# Altium PCB slave.PcbDoc (part 3 of 7)
Units mm, origin at the board's own origin, x right, y up, seen from the top; angles counter-clockwise.
Board outline 160 x 100 mm, 6 copper layers (Top, FUSED_VBAT-, Signals1, Signals2, SUPPLY, Bottom), stack 1.67 mm thick; 597 components, 381 nets, 1695 pads, 3029 vias.
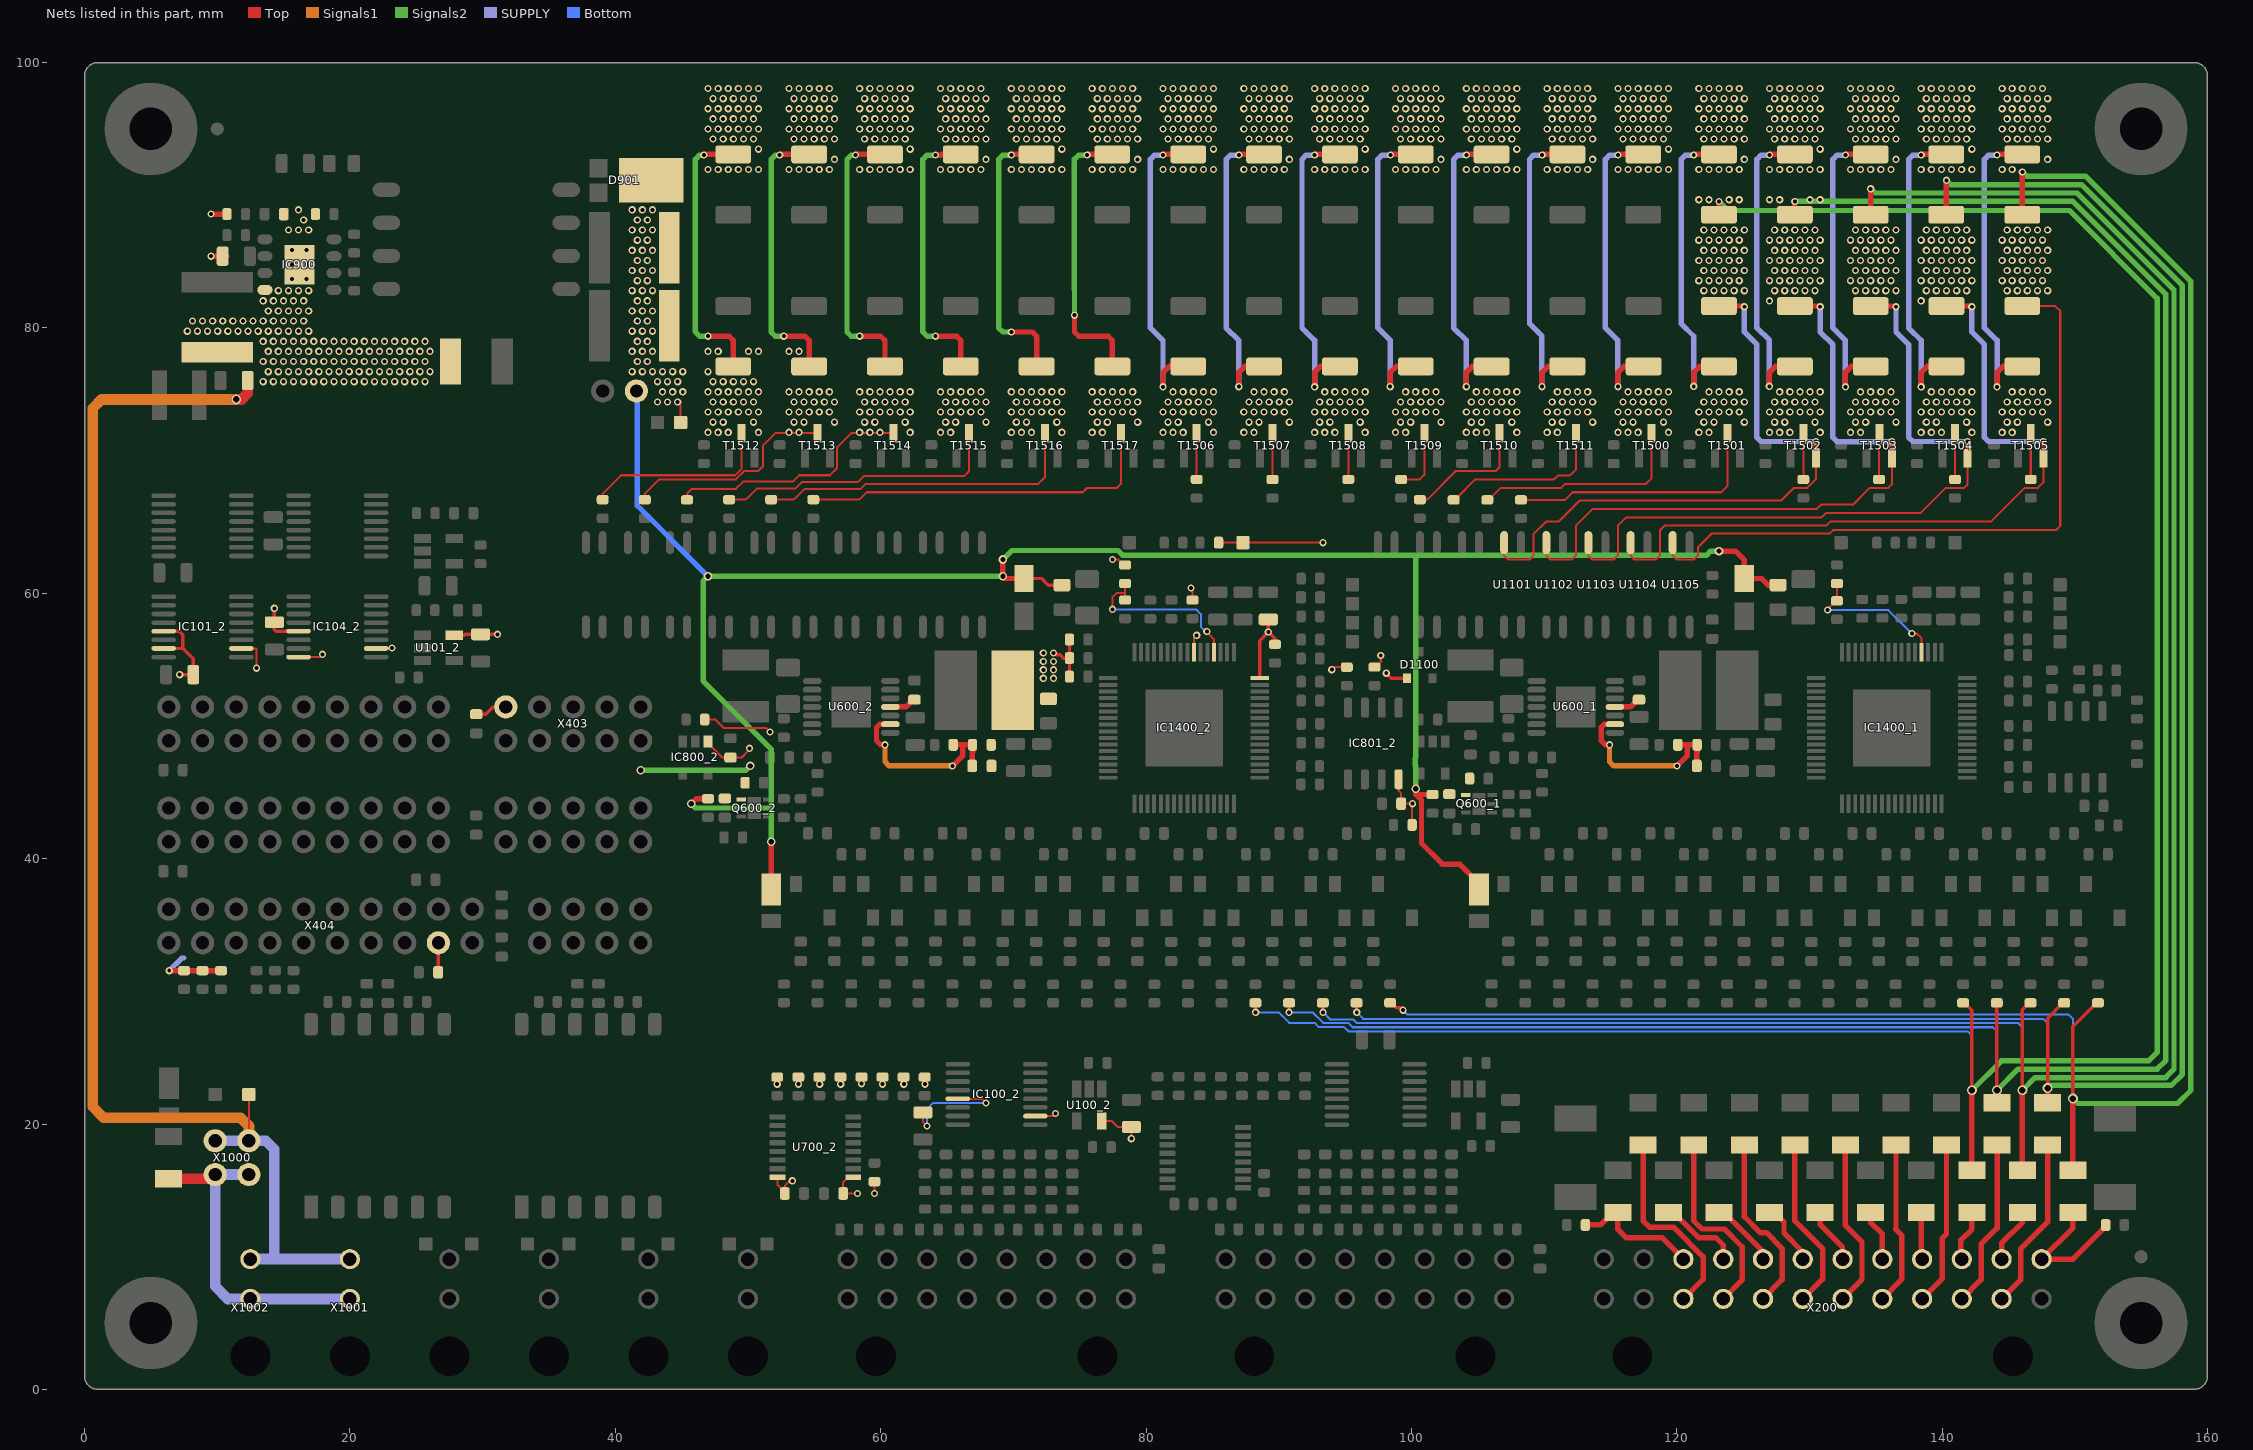
[diagram p7: the nets of this part, all layers, seen from the top]

## Via types
v1: diameter 0.55, hole 0.3, Top to Bottom, tented both sides, 2991 vias
v2: diameter 0.75, hole 0.5, Top to Bottom, tented both sides, 22 vias
v3: diameter 0.65, hole 0.4, Top to Bottom, tented both sides, 16 vias

## Nets (pads, with @x,y where several pads share a name; then routed paths per layer and width w, separated by ;. In a path a pad name is that pad's centre, name@x,y a point inside that pad or via, vN(x,y) a via of type N, cw(c..) or ccw(c..) an arc to the next point about the centre after c; other vN are vias at no path point) (continued)
+5.0V_VREG_1: C101_2.2 C102_2.2 C103_2.2 C104_2.2 C105_2.2 C403.2 C407.2 C604_2.2 C700_2.2 C701_2.2 C800_2.2 C801_2.2 C1401_2.2 D1100.1 IC100_2.2 IC100_2.13 IC101_2.2 IC101_2.13 IC101_2.15 IC104_2.2 IC104_2.13 IC104_2.16 IC800_2.1 IC801_2.8 IC1400_2.48 IC1400_2.55 L600_2.2 LD1400_2.2 R602_2.1 R604_2.1 R700_2.2 R701_2.2 R702_2.2 R703_2.2 R704_2.2 R705_2.2 R706_2.2 R707_2.2 R708_2.1 R800_2.2 R801_2.2 R1404_2.2 R1407_2.2 R1419_2.2 R1420_2.2 R1421_2.2 R1422_2.2 R1423_2.2 R1424_2.2 R1425_2.2 R1426_2.2 R1427_2.2 TP1403_2.1 U100_2.5 U101_2.5 U700_2.1 U700_2.16 X403.9 X404.4 | length 102.8
  Top w0.152: IC101_2.2@11.786,55.842 12.921,55.842 12.954,55.809 v1(12.954,54.356) ; IC104_2.16@16.125,55.193 17.728,55.193 v1(17.939,55.404) ; IC104_2.2@21.946,55.842 23.139,55.842 v1(23.177,55.88) ; R800_2.2@46.737,50.482 47.554,50.482 48.189,49.847 51.363,49.847 v1(51.663,49.548) ; IC800_2.1@46.988,48.825 46.988,48.7 48.063,47.625 C800_2.2@48.677,47.625 49.53,47.625 50.109,48.204 v1(50.109,48.316) ; v1(52.205,23.006) R707_2.2@52.205,23.535 R707_2.2@52.205,23.585 ; U700_2.16@52.236,15.981 52.236,15.401 C700_2.2@52.774,14.864 ; C700_2.2@52.774,14.764 C700_2.2@52.774,14.864 ; v1(53.34,15.716) 53.15,15.716 52.774,15.34 C700_2.2@52.774,14.864 ; R706_2.2@53.792,23.535 53.792,23.026 v1(53.813,23.006) ; R706_2.2@53.792,23.585 53.813,23.565 R706_2.2@53.813,23.535 ; R705_2.2@55.38,23.535 55.38,23.026 v1(55.4,23.006) ; R705_2.2@55.38,23.585 55.4,23.565 R705_2.2@55.4,23.535 ; R704_2.2@56.967,23.535 56.967,23.026 v1(56.988,23.006) ; R704_2.2@56.967,23.585 56.988,23.565 R704_2.2@56.988,23.535 ; U700_2.1@57.936,15.981 57.536,15.981 57.18,15.625 C701_2.2@57.18,14.764 v1(58.261,14.764) ; v1(58.555,23.044) R703_2.2@58.555,23.535 ; R703_2.2@58.555,23.585 R703_2.2@58.58,23.56 ; v1(59.531,14.764) R708_2.1@59.531,15.651 ; v1(60.142,23.006) R702_2.2@60.142,23.535 R702_2.2@60.142,23.585 ; R701_2.2@61.73,23.535 61.73,23.026 v1(61.75,23.006) ; R701_2.2@61.73,23.585 61.75,23.565 R701_2.2@61.75,23.535 ; C101_2.2@63.182,20.869 63.182,20.161 v1(63.5,19.844) ; R700_2.2@63.317,23.535 63.317,23.026 v1(63.338,23.006) ; R700_2.2@63.317,23.585 63.338,23.565 R700_2.2@63.338,23.535 ; IC100_2.13@65.814,21.9 67.635,21.9 v1(67.945,21.59) ; IC100_2.2@71.664,20.6 72.988,20.6 v1(73.184,20.796) 73.184,20.637 v1@73.146,20.6 ; U100_2.5@76.674,20.231 77.4,20.231 77.86,19.771 C103_2.2@78.899,19.771 v1(78.899,18.891) ; v1(77.47,62.547) 77.911,62.547 78.323,62.136 R1407_2.2@78.422,62.136 ; v1(83.384,60.397) 83.502,60.279 R1404_2.2@83.502,59.488 ; IC1400_2.55@83.618,55.598 83.618,56.63 v1(83.82,56.832) ; LD1400_2.2@85.523,63.817 TP1403_2.1@87.312,63.817 v1(93.345,63.817) ; v1(94.005,54.245) 94.194,54.434 R1419_2.2@95.135,54.434 ; R1420_2.2@97.223,54.437 97.323,54.437 97.693,54.808 v1(97.693,55.309) ; IC801_2.8@99.04,45.98 99.04,45.128 99.235,44.933 C801_2.2@99.235,44.147 v1(100.081,44.147) 100.057,44.124 R801_2.2@100.057,42.545
  Top w0.254: IC101_2.15@5.965,55.843 7.403,55.843 ; IC101_2.13@5.965,57.143 7.119,57.143 7.396,56.866 7.396,55.85 7.403,55.843 ; v1(7.166,53.868) C102_2.2@8.191,53.868 8.191,55.055 7.403,55.843 ; v1(14.306,58.864) C105_2.2@14.306,57.818 14.306,57.266 14.429,57.143 IC104_2.13@16.125,57.143 ; C407.2@26.65,31.432 C407.2@26.65,31.5 ; C407.2@26.67,31.52 C407.2@26.65,31.5 ; X404.4@26.67,33.655 26.65,33.635 C407.2@26.65,31.507 ; U101_2.5@27.87,56.83 28.622,56.83 28.697,56.905 C104_2.2@29.845,56.905 v1(31.115,56.905) ; C403.2@29.527,50.89 30.245,50.89 30.777,51.423 X403.9@31.75,51.435 ; 73.279,55.372 73.524,55.372 73.778,55.118 R1422_2.2@74.23,55.118 ; R1421_2.2@74.23,53.721 R1422_2.2@74.23,55.118 ; R1423_2.2@74.23,56.515 R1422_2.2@74.23,55.118 ; IC1400_2.48@88.568,53.597 88.568,56.433 v1(89.218,57.083) ; C1401_2.2@89.218,58.03 v1(89.218,57.083) ; R1424_2.2@89.725,56.152 89.725,56.604 89.697,56.604 v1(89.218,57.083) ; v1(98.108,53.975) 98.485,53.598 D1100.1@99.677,53.598 ; C407.2@26.65,31.5 26.583,31.432 26.613,31.466 C407.2@26.65,31.507 ; C407.2@26.65,31.5 C407.2@26.65,31.507
  Top w0.406: v1@6.35,31.561 v1(6.381,31.561) R1427_2.2@7.493,31.561 R1426_2.2@8.89,31.561 R1425_2.2@10.287,31.561
  Signals2 w0.406: v3(41.91,46.672) 49.847,46.672 v3(50.165,46.99)
  SUPPLY w0.406: v1(6.381,31.561) 7.332,32.512 7.493,32.512
  Bottom w0.152: v1(63.5,19.844) 63.5,21.114 63.976,21.59 v1(67.945,21.59)
  other v1: 72.263,53.594 73.025,53.594 72.263,54.229 73.025,54.229 72.263,54.864 73.025,54.864 72.263,55.499 73.025,55.499
BST_1: C602_1.2 U600_1.11 | length 2
  Top w0.406: U600_1.11@115.345,51.435 116.513,51.435 117.058,51.98 C602_1.2@117.157,51.98
BST_2: C602_2.2 U600_2.11 | length 2
  Top w0.406: U600_2.11@60.735,51.435 61.903,51.435 62.448,51.98 C602_2.2@62.547,51.98
CELL_0+: F318.1 X200.2 | length 13.3
  Top w0.406: X200.2@144.487,6.818 145.94,8.271 145.94,10.611 147.955,12.626 F318.1@147.955,18.413 ; F318.1@147.955,18.413 F318.1@147.955,18.652
CELL_0-: F319.1 SJ301.1 X200.13 | length 10.5
  Top w0.406: F319.1@149.86,13.333 149.86,12.178 X200.13@147.497,9.815 149.868,9.815 152.335,12.283 SJ301.1@152.335,12.383
CELL_1+: F317.1 X200.14 | length 4.2
  Top w0.406: X200.14@144.487,9.815 144.487,11.018 146.05,12.581 F317.1@146.05,13.333
CELL_2+: F316.1 X200.3 | length 12.9
  Top w0.406: X200.3@141.49,6.818 142.945,8.273 142.945,10.954 144.145,12.154 F316.1@144.145,18.413 ; F316.1@144.145,18.413 F316.1@144.145,18.652
CELL_3+: F315.1 X200.15 | length 3.9
  Top w0.406: X200.15@141.49,9.815 141.415,9.89 141.415,11.24 142.24,12.065 F315.1@142.24,13.333
CELL_4+: F314.1 X200.4 | length 12.6
  Top w0.406: X200.4@138.493,6.818 140.017,8.343 140.017,11.407 140.335,11.725 F314.1@140.335,18.413 ; F314.1@140.335,18.413 F314.1@140.335,18.652
CELL_5+: F313.1 X200.16 | length 3.5
  Top w0.406: F313.1@138.43,13.333 138.43,9.878 X200.16@138.493,9.815
CELL_6+: F312.1 X200.5 | length 12.6
  Top w0.406: X200.5@135.496,6.818 136.955,8.277 136.955,11.635 136.505,12.085 136.525,12.105 F312.1@136.525,18.413 ; F312.1@136.525,18.413 F312.1@136.525,18.652
CELL_7+: F311.1 X200.17 | length 3.9
  Top w0.406: F311.1@134.62,13.333 134.62,12.581 135.496,11.705 X200.17@135.496,9.815
CELL_8+: F310.1 X200.6 | length 13
  Top w0.406: X200.6@132.499,6.818 133.965,8.284 133.965,11.105 132.715,12.355 F310.1@132.715,18.413 F310.1@132.715,18.652
CELL_9+: F309.1 X200.18 | length 4.2
  Top w0.406: F309.1@130.81,13.333 130.81,12.415 132.499,10.726 X200.18@132.499,9.815
CELL_10+: F308.1 X200.7 | length 13.3
  Top w0.406: F308.1@128.905,18.652 F308.1@128.905,18.413 128.905,12.7 130.994,10.611 130.994,8.311 X200.7@129.501,6.818
CELL_11+: F307.1 X200.19 | length 4.8
  Top w0.406: F307.1@127,13.333 127.365,13.333 128.087,12.611 128.087,11.772 129.501,10.358 X200.19@129.501,9.815
CELL_12+: F306.1 X200.8 | length 13.9
  Top w0.406: F306.1@125.095,18.652 F306.1@125.095,18.413 125.095,13.01 126.288,11.817 126.754,11.817 127.953,10.619 127.953,8.267 X200.8@126.504,6.818
CELL_13+: F305.1 X200.20 | length 5.1
  Top w0.406: F305.1@123.19,13.333 123.555,13.333 126.504,10.384 X200.20@126.504,9.815
CELL_14+: F304.1 X200.9 | length 14.9
  Top w0.406: F304.1@121.285,18.652 F304.1@121.285,18.413 121.285,12.704 121.904,12.085 123.6,12.085 124.936,10.749 124.936,8.247 X200.9@123.507,6.818
CELL_15+: F303.1 X200.21 | length 6.2
  Top w0.406: F303.1@119.38,13.333 119.745,13.333 121.648,11.43 122.943,11.43 123.507,10.866 X200.21@123.507,9.815
CELL_16+: F302.1 X200.10 | length 15.4
  Top w0.406: F302.1@117.475,18.652 F302.1@117.475,18.413 117.475,12.7 117.951,12.224 119.754,12.224 121.99,9.987 121.99,8.298 X200.10@120.51,6.818
CELL_17+: F301.1 SJ300.2 X200.22 | length 10
  Top w0.406: SJ300.2@113.115,12.395 114.267,12.395 115.205,13.333 F301.1@115.57,13.333 115.57,12.047 116.187,11.43 118.895,11.43 X200.22@120.51,9.815
CELL_FEEDBACK.CELL0_FEEDBACK+: R1105.1 R1505.2 R1511.2 T1505.3 | length 27.2
  Top w0.152: R1105.1@146.685,68.58 T1505.3@146.685,72.07
  Top w0.406: v1(144.145,75.565) 144.145,76.647 144.598,77.1 R1505.2@146.05,77.1 ; v1(144.145,93.027) 144.198,93.08 R1511.2@146.05,93.08
  SUPPLY w0.406: v1(144.145,75.565) 144.145,79.057 143.192,80.01 143.192,92.71 143.51,93.027 v1(144.145,93.027)
  other v1: 144.526,72.136 145.288,72.136 144.907,72.898 145.669,72.898 147.955,72.898 144.526,73.66 145.288,73.66 146.05,73.66 146.812,73.66 147.574,73.66 144.907,74.422 145.669,74.422 146.431,74.422 147.193,74.422 147.955,74.422 145.288,75.184 146.05,75.184 146.812,75.184 147.574,75.184 144.526,91.948 145.288,91.948 147.955,92.71 144.907,94.234 145.669,94.234 146.431,94.234 147.193,94.234 147.955,94.234 144.526,94.996 145.288,94.996 146.05,94.996 146.812,94.996 147.574,94.996 144.907,95.758 145.669,95.758 146.431,95.758 147.193,95.758 147.955,95.758 144.526,96.52 145.288,96.52 146.05,96.52 146.812,96.52 147.574,96.52 144.907,97.282 145.669,97.282 146.431,97.282 147.193,97.282 147.955,97.282 144.526,98.044 145.288,98.044 146.05,98.044 146.812,98.044 147.574,98.044
CELL_FEEDBACK.CELL1_FEEDBACK+: R1104.1 R1504.2 R1510.2 T1504.3 | length 27.2
  Top w0.152: R1104.1@140.97,68.58 T1504.3@140.97,72.07
  Top w0.406: v1(138.43,75.565) 138.43,76.647 138.883,77.1 R1504.2@140.335,77.1 ; v1(138.43,93.027) 138.483,93.08 R1510.2@140.315,93.08
  SUPPLY w0.406: v1(138.43,75.565) 138.43,79.057 137.477,80.01 137.477,92.71 137.795,93.027 v1(138.43,93.027)
  other v1: 138.43,72.136 139.192,72.136 139.954,72.136 142.24,72.136 138.811,72.898 139.573,72.898 141.859,72.898 138.43,73.66 139.192,73.66 139.954,73.66 140.716,73.66 141.478,73.66 142.24,73.66 138.811,74.422 139.573,74.422 140.335,74.422 141.097,74.422 141.859,74.422 139.192,75.184 139.954,75.184 140.716,75.184 141.478,75.184 142.24,75.184 138.43,91.948 139.192,91.948 139.954,91.948 140.716,91.948 141.478,91.948 142.24,91.948 142.24,93.472 138.811,94.234 139.573,94.234 140.335,94.234 141.097,94.234 141.859,94.234 138.43,94.996 139.192,94.996 139.954,94.996 140.716,94.996 141.478,94.996 142.24,94.996 138.811,95.758 139.573,95.758 140.335,95.758 141.097,95.758 141.859,95.758 138.43,96.52 139.192,96.52 139.954,96.52 140.716,96.52 141.478,96.52 142.24,96.52 138.811,97.282 139.573,97.282 140.335,97.282 141.097,97.282 141.859,97.282 138.43,98.044 139.192,98.044 139.954,98.044 140.716,98.044 141.478,98.044 142.24,98.044
CELL_FEEDBACK.CELL2_FEEDBACK+: R1103.1 R1503.2 R1509.2 T1503.3 | length 27.2
  Top w0.152: R1103.1@135.255,68.58 135.255,71.256 135.267,71.268 T1503.3@135.267,72.07
  Top w0.406: v1(132.715,75.565) 132.715,76.647 133.168,77.1 R1503.2@134.62,77.1 ; v1(132.715,93.027) 132.768,93.08 R1509.2@134.62,93.08
  SUPPLY w0.406: v1(132.715,75.565) 132.715,79.057 131.762,80.01 131.762,92.71 132.08,93.027 v1(132.715,93.027)
  other v1: 133.096,72.136 133.858,72.136 133.477,72.898 134.239,72.898 136.525,72.898 133.096,73.66 133.858,73.66 134.62,73.66 135.382,73.66 136.144,73.66 133.477,74.422 134.239,74.422 135.001,74.422 135.763,74.422 136.525,74.422 133.858,75.184 134.62,75.184 135.382,75.184 136.144,75.184 133.096,91.948 133.858,91.948 134.62,91.948 135.382,91.948 136.144,91.948 136.525,92.71 133.477,94.234 134.239,94.234 135.001,94.234 135.763,94.234 136.525,94.234 133.096,94.996 133.858,94.996 134.62,94.996 135.382,94.996 136.144,94.996 133.477,95.758 134.239,95.758 135.001,95.758 135.763,95.758 136.525,95.758 133.096,96.52 133.858,96.52 134.62,96.52 135.382,96.52 136.144,96.52 133.477,97.282 134.239,97.282 135.001,97.282 135.763,97.282 136.525,97.282 133.096,98.044 133.858,98.044 134.62,98.044 135.382,98.044 136.144,98.044
CELL_FEEDBACK.CELL3_FEEDBACK+: R1102.1 R1502.2 R1508.2 T1502.3 | length 27.2
  Top w0.152: R1102.1@129.54,68.58 T1502.3@129.54,72.07
  Top w0.406: v1(126.982,75.595) 126.982,76.628 127.453,77.1 R1502.2@128.905,77.1 ; v1(127,93.027) 127.053,93.08 R1508.2@128.905,93.08
  SUPPLY w0.406: v1@127,75.614 v1(126.982,75.595) 126.982,79.076 126.047,80.01 126.047,92.71 126.365,93.027 v1(127,93.027)
  other v1: 127,72.136 127.762,72.136 128.524,72.136 130.81,72.136 127.381,72.898 128.143,72.898 130.429,72.898 127,73.66 127.762,73.66 128.524,73.66 129.286,73.66 130.048,73.66 130.81,73.66 127.381,74.422 128.143,74.422 128.905,74.422 129.667,74.422 130.429,74.422 127.762,75.184 128.524,75.184 129.286,75.184 130.048,75.184 130.81,75.184 127,91.948 127.762,91.948 128.524,91.948 129.286,91.948 130.048,91.948 130.81,91.948 130.81,93.472 127.381,94.234 128.143,94.234 128.905,94.234 129.667,94.234 130.429,94.234 127,94.996 127.762,94.996 128.524,94.996 129.286,94.996 130.048,94.996 130.81,94.996 127.381,95.758 128.143,95.758 128.905,95.758 129.667,95.758 130.429,95.758 127,96.52 127.762,96.52 128.524,96.52 129.286,96.52 130.048,96.52 130.81,96.52 127.381,97.282 128.143,97.282 128.905,97.282 129.667,97.282 130.429,97.282 127,98.044 127.762,98.044 128.524,98.044 129.286,98.044 130.048,98.044 130.81,98.044
CELL_FEEDBACK.CELL4_FEEDBACK+: R1101.1 R1501.2 R1507.2 T1501.3 | length 43.6
  Top w0.152: R1101.1@108.267,67.045 111.587,67.045 112.157,67.615 123.36,67.615 123.825,68.08 T1501.3@123.825,72.07
  Top w0.406: v1(121.285,75.595) 121.285,76.647 121.738,77.1 R1501.2@123.19,77.1 ; v1(121.285,93.027) 121.338,93.08 R1507.2@123.19,93.08
  SUPPLY w0.406: v1(121.285,75.595) 121.285,79.375 120.332,80.328 120.332,92.71 120.65,93.027 v1(121.285,93.027)
  other v1: 121.666,72.136 122.428,72.136 122.047,72.898 122.809,72.898 125.095,72.898 121.666,73.66 122.428,73.66 123.19,73.66 123.952,73.66 124.714,73.66 122.047,74.422 122.809,74.422 123.571,74.422 124.333,74.422 125.095,74.422 122.428,75.184 123.19,75.184 123.952,75.184 124.714,75.184 121.666,91.948 122.428,91.948 123.19,91.948 123.952,91.948 124.714,91.948 125.095,92.71 122.047,94.234 122.809,94.234 123.571,94.234 124.333,94.234 125.095,94.234 121.666,94.996 122.428,94.996 123.19,94.996 123.952,94.996 124.714,94.996 122.047,95.758 122.809,95.758 123.571,95.758 124.333,95.758 125.095,95.758 121.666,96.52 122.428,96.52 123.19,96.52 123.952,96.52 124.714,96.52 122.047,97.282 122.809,97.282 123.571,97.282 124.333,97.282 125.095,97.282 121.666,98.044 122.428,98.044 123.19,98.044 123.952,98.044 124.714,98.044
CELL_FEEDBACK.CELL5_FEEDBACK+: R1100.1 R1500.2 R1506.2 T1500.3 | length 40.2
  Top w0.152: R1100.1@105.727,67.045 105.827,67.045 106.727,67.945 111.308,67.945 111.613,68.25 117.688,68.25 118.11,68.673 T1500.3@118.11,72.07
  Top w0.406: v1(115.57,75.575) 115.57,76.627 116.043,77.1 R1500.2@117.505,77.1 ; v1(115.57,93.027) 115.623,93.08 R1506.2@117.475,93.08
  SUPPLY w0.406: v1(115.57,75.575) 115.57,79.057 114.617,80.01 114.617,92.71 114.935,93.027 v1(115.57,93.027)
  other v1: 115.57,72.136 116.332,72.136 117.094,72.136 119.38,72.136 115.951,72.898 116.713,72.898 118.999,72.898 115.57,73.66 116.332,73.66 117.094,73.66 117.856,73.66 118.618,73.66 119.38,73.66 115.951,74.422 116.713,74.422 117.475,74.422 118.237,74.422 118.999,74.422 116.332,75.184 117.094,75.184 117.856,75.184 118.618,75.184 119.38,75.184 115.57,91.948 116.332,91.948 117.094,91.948 117.856,91.948 118.618,91.948 119.38,91.948 119.38,93.472 115.951,94.234 116.713,94.234 117.475,94.234 118.237,94.234 118.999,94.234 115.57,94.996 116.332,94.996 117.094,94.996 117.856,94.996 118.618,94.996 119.38,94.996 115.951,95.758 116.713,95.758 117.475,95.758 118.237,95.758 118.999,95.758 115.57,96.52 116.332,96.52 117.094,96.52 117.856,96.52 118.618,96.52 119.38,96.52 115.951,97.282 116.713,97.282 117.475,97.282 118.237,97.282 118.999,97.282 115.57,98.044 116.332,98.044 117.094,98.044 117.856,98.044 118.618,98.044 119.38,98.044
CELL_FEEDBACK.CELL6_FEEDBACK+: R1111.1 R1523.2 R1529.2 T1511.3 | length 36.6
  Top w0.152: R1111.1@103.188,67.045 103.287,67.045 104.824,68.581 110.754,68.581 111.057,68.885 111.965,68.885 112.395,69.315 T1511.3@112.395,72.07
  Top w0.406: v1(109.843,75.575) 109.843,76.634 110.308,77.1 R1523.2@111.76,77.1 ; v1(109.855,93.027) 109.908,93.08 R1529.2@111.76,93.08
  SUPPLY w0.406: v1@109.855,75.588 v1(109.843,75.575) 109.843,79.387 108.902,80.328 108.902,92.71 109.22,93.027 v1(109.855,93.027)
  other v1: 110.236,72.136 110.998,72.136 110.617,72.898 111.379,72.898 113.665,72.898 110.236,73.66 110.998,73.66 111.76,73.66 112.522,73.66 113.284,73.66 110.617,74.422 111.379,74.422 112.141,74.422 112.903,74.422 113.665,74.422 110.998,75.184 111.76,75.184 112.522,75.184 113.284,75.184 110.236,91.948 110.998,91.948 111.76,91.948 112.522,91.948 113.284,91.948 113.665,92.71 110.617,94.234 111.379,94.234 112.141,94.234 112.903,94.234 113.665,94.234 110.236,94.996 110.998,94.996 111.76,94.996 112.522,94.996 113.284,94.996 110.617,95.758 111.379,95.758 112.141,95.758 112.903,95.758 113.665,95.758 110.236,96.52 110.998,96.52 111.76,96.52 112.522,96.52 113.284,96.52 110.617,97.282 111.379,97.282 112.141,97.282 112.903,97.282 113.665,97.282 110.236,98.044 110.998,98.044 111.76,98.044 112.522,98.044 113.284,98.044
CELL_FEEDBACK.CELL7_FEEDBACK+: R1110.1 R1522.2 R1528.2 T1510.3 | length 33.3
  Top w0.152: R1110.1@100.642,67.058 101.194,67.058 103.356,69.22 106.362,69.22 106.66,69.517 T1510.3@106.66,72.07
  Top w0.406: v1(104.14,75.575) 104.14,76.647 104.593,77.1 R1522.2@106.045,77.1 ; v1(104.14,93.027) 104.193,93.08 R1528.2@106.045,93.08
  SUPPLY w0.406: v1(104.14,75.575) 104.14,79.057 103.188,80.01 103.188,92.71 103.505,93.027 v1(104.14,93.027)
  other v1: 104.14,72.136 104.902,72.136 105.664,72.136 107.95,72.136 104.521,72.898 105.283,72.898 107.569,72.898 104.14,73.66 104.902,73.66 105.664,73.66 106.426,73.66 107.188,73.66 107.95,73.66 104.521,74.422 105.283,74.422 106.045,74.422 106.807,74.422 107.569,74.422 104.902,75.184 105.664,75.184 106.426,75.184 107.188,75.184 107.95,75.184 104.14,91.948 104.902,91.948 105.664,91.948 106.426,91.948 107.188,91.948 107.95,91.948 107.95,93.472 104.521,94.234 105.283,94.234 106.045,94.234 106.807,94.234 107.569,94.234 104.14,94.996 104.902,94.996 105.664,94.996 106.426,94.996 107.188,94.996 107.95,94.996 104.521,95.758 105.283,95.758 106.045,95.758 106.807,95.758 107.569,95.758 104.14,96.52 104.902,96.52 105.664,96.52 106.426,96.52 107.188,96.52 107.95,96.52 104.521,97.282 105.283,97.282 106.045,97.282 106.807,97.282 107.569,97.282 104.14,98.044 104.902,98.044 105.664,98.044 106.426,98.044 107.188,98.044 107.95,98.044
CELL_FEEDBACK.CELL8_FEEDBACK+: R1109.1 R1521.2 R1527.2 T1509.3 | length 28.7
  Top w0.152: R1109.1@99.235,68.58 100.631,68.58 100.98,68.929 T1509.3@100.98,72.07
  Top w0.406: v1(98.405,75.575) 98.405,76.627 98.878,77.1 R1521.2@100.33,77.1 ; v1(98.425,93.027) 98.478,93.08 R1527.2@100.33,93.08
  SUPPLY w0.406: v1(98.405,75.575) 98.405,79.078 97.472,80.01 97.472,92.71 97.79,93.027 v1(98.425,93.027)
  other v1: 98.806,72.136 99.568,72.136 99.187,72.898 99.949,72.898 102.235,72.898 98.806,73.66 99.568,73.66 100.33,73.66 101.092,73.66 101.854,73.66 99.187,74.422 99.949,74.422 100.711,74.422 101.473,74.422 102.235,74.422 99.568,75.184 100.33,75.184 101.092,75.184 101.854,75.184 98.806,91.948 99.568,91.948 100.33,91.948 101.092,91.948 101.854,91.948 102.235,92.71 99.187,94.234 99.949,94.234 100.711,94.234 101.473,94.234 102.235,94.234 98.806,94.996 99.568,94.996 100.33,94.996 101.092,94.996 101.854,94.996 99.187,95.758 99.949,95.758 100.711,95.758 101.473,95.758 102.235,95.758 98.806,96.52 99.568,96.52 100.33,96.52 101.092,96.52 101.854,96.52 99.187,97.282 99.949,97.282 100.711,97.282 101.473,97.282 102.235,97.282 98.806,98.044 99.568,98.044 100.33,98.044 101.092,98.044 101.854,98.044